# Altium PCB QCopterMV__Pcb.PcbDoc
Units mil, origin at the board's own origin, x right, y up, seen from the top; angles counter-clockwise.
Board outline 1500 x 1500 mil, 4 copper layers (Top Layer, Signal Layer 1, Signal Layer 2, Bottom Layer), stack 46.457 mil thick; 67 components, 132 nets, 439 pads, 179 vias.
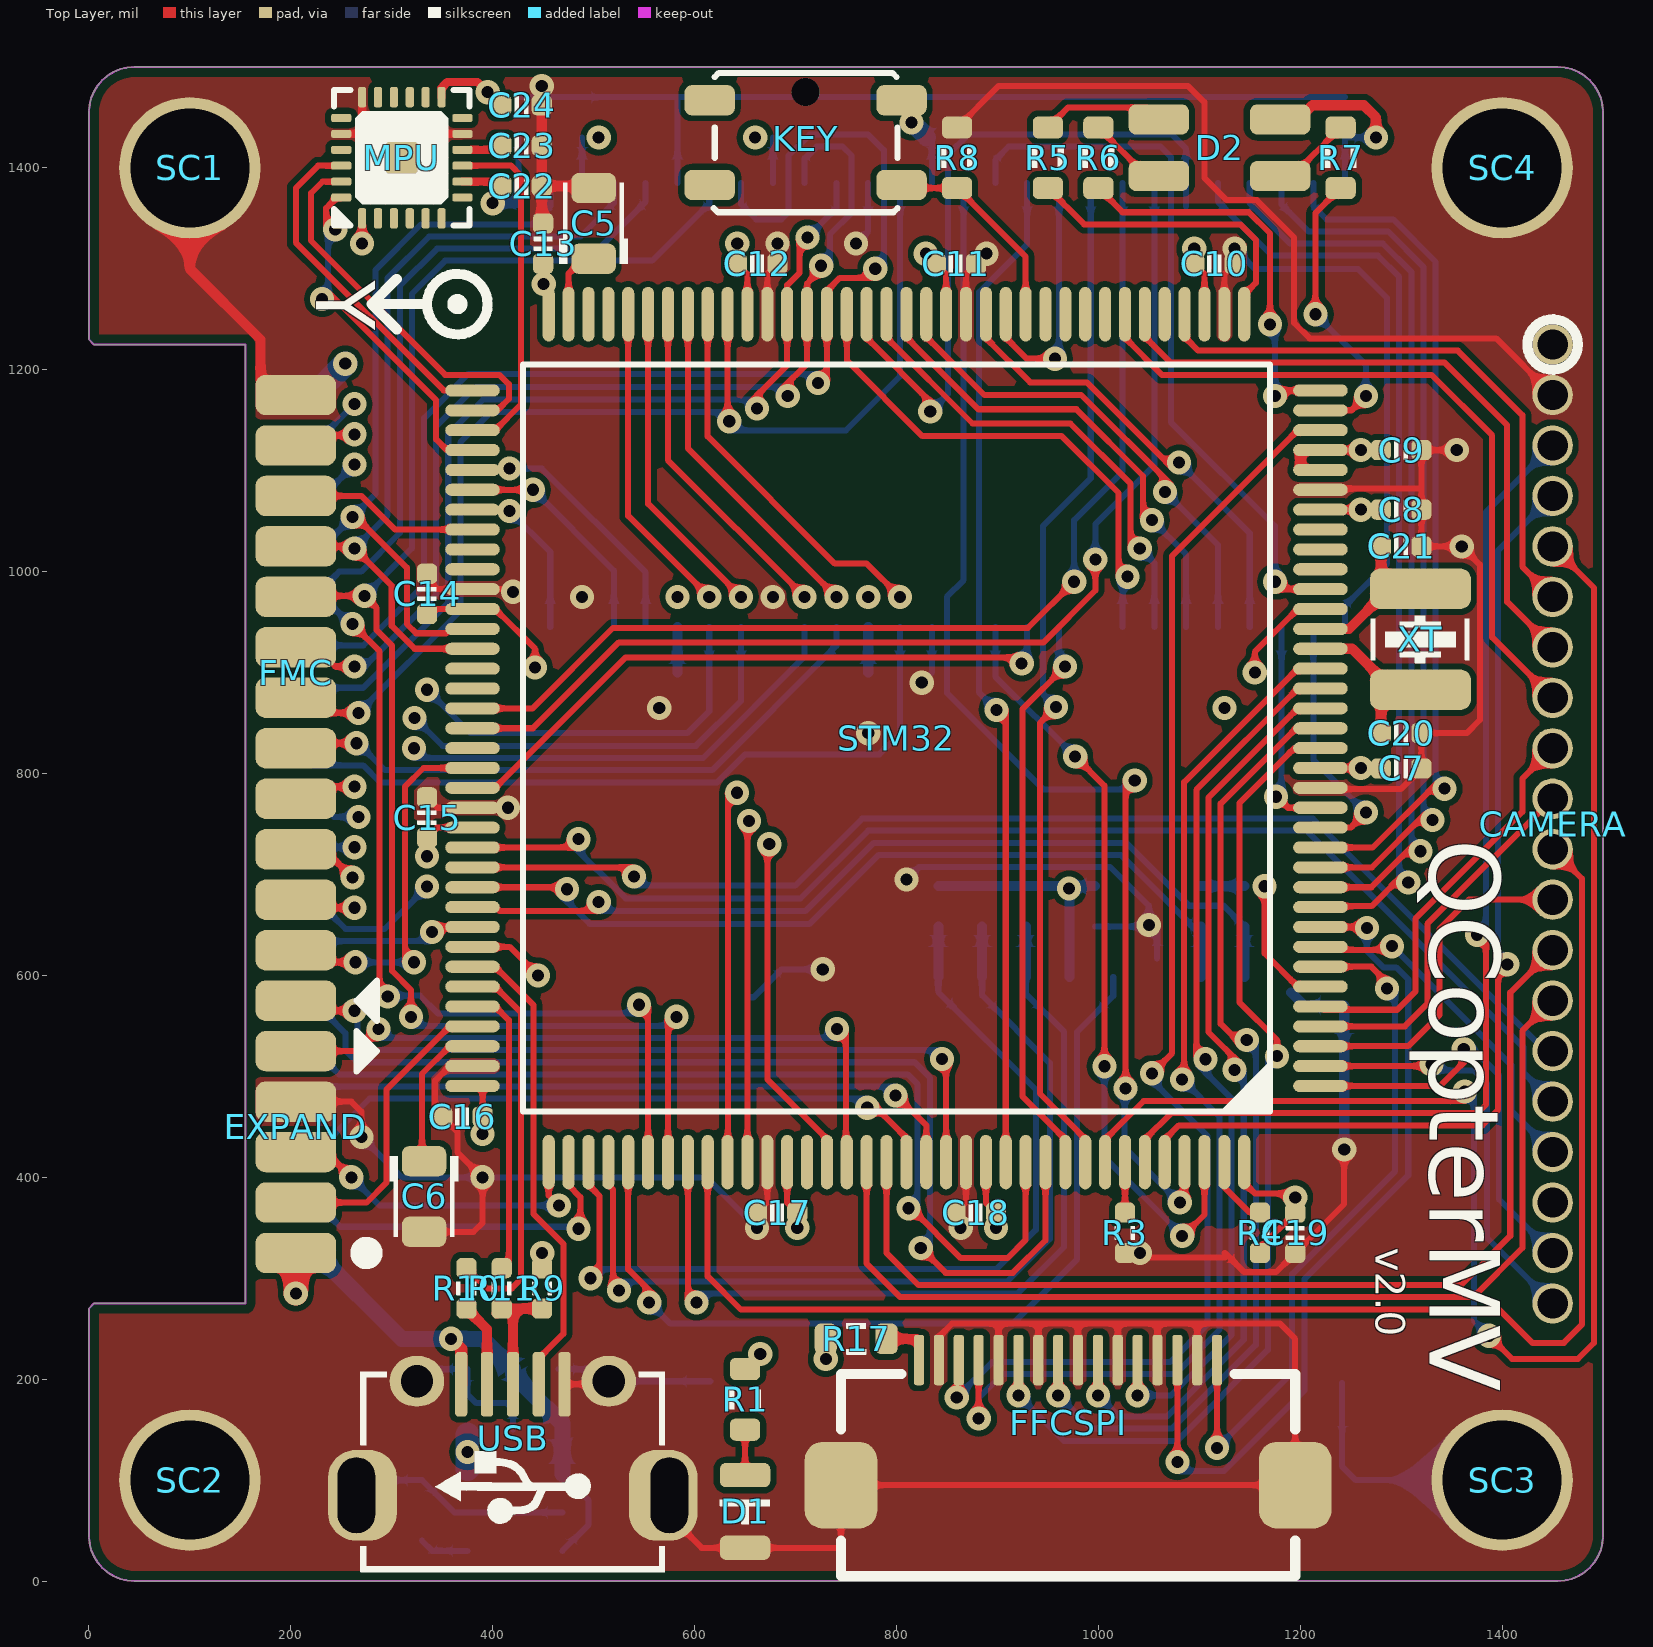
[diagram p0: Top Layer view]
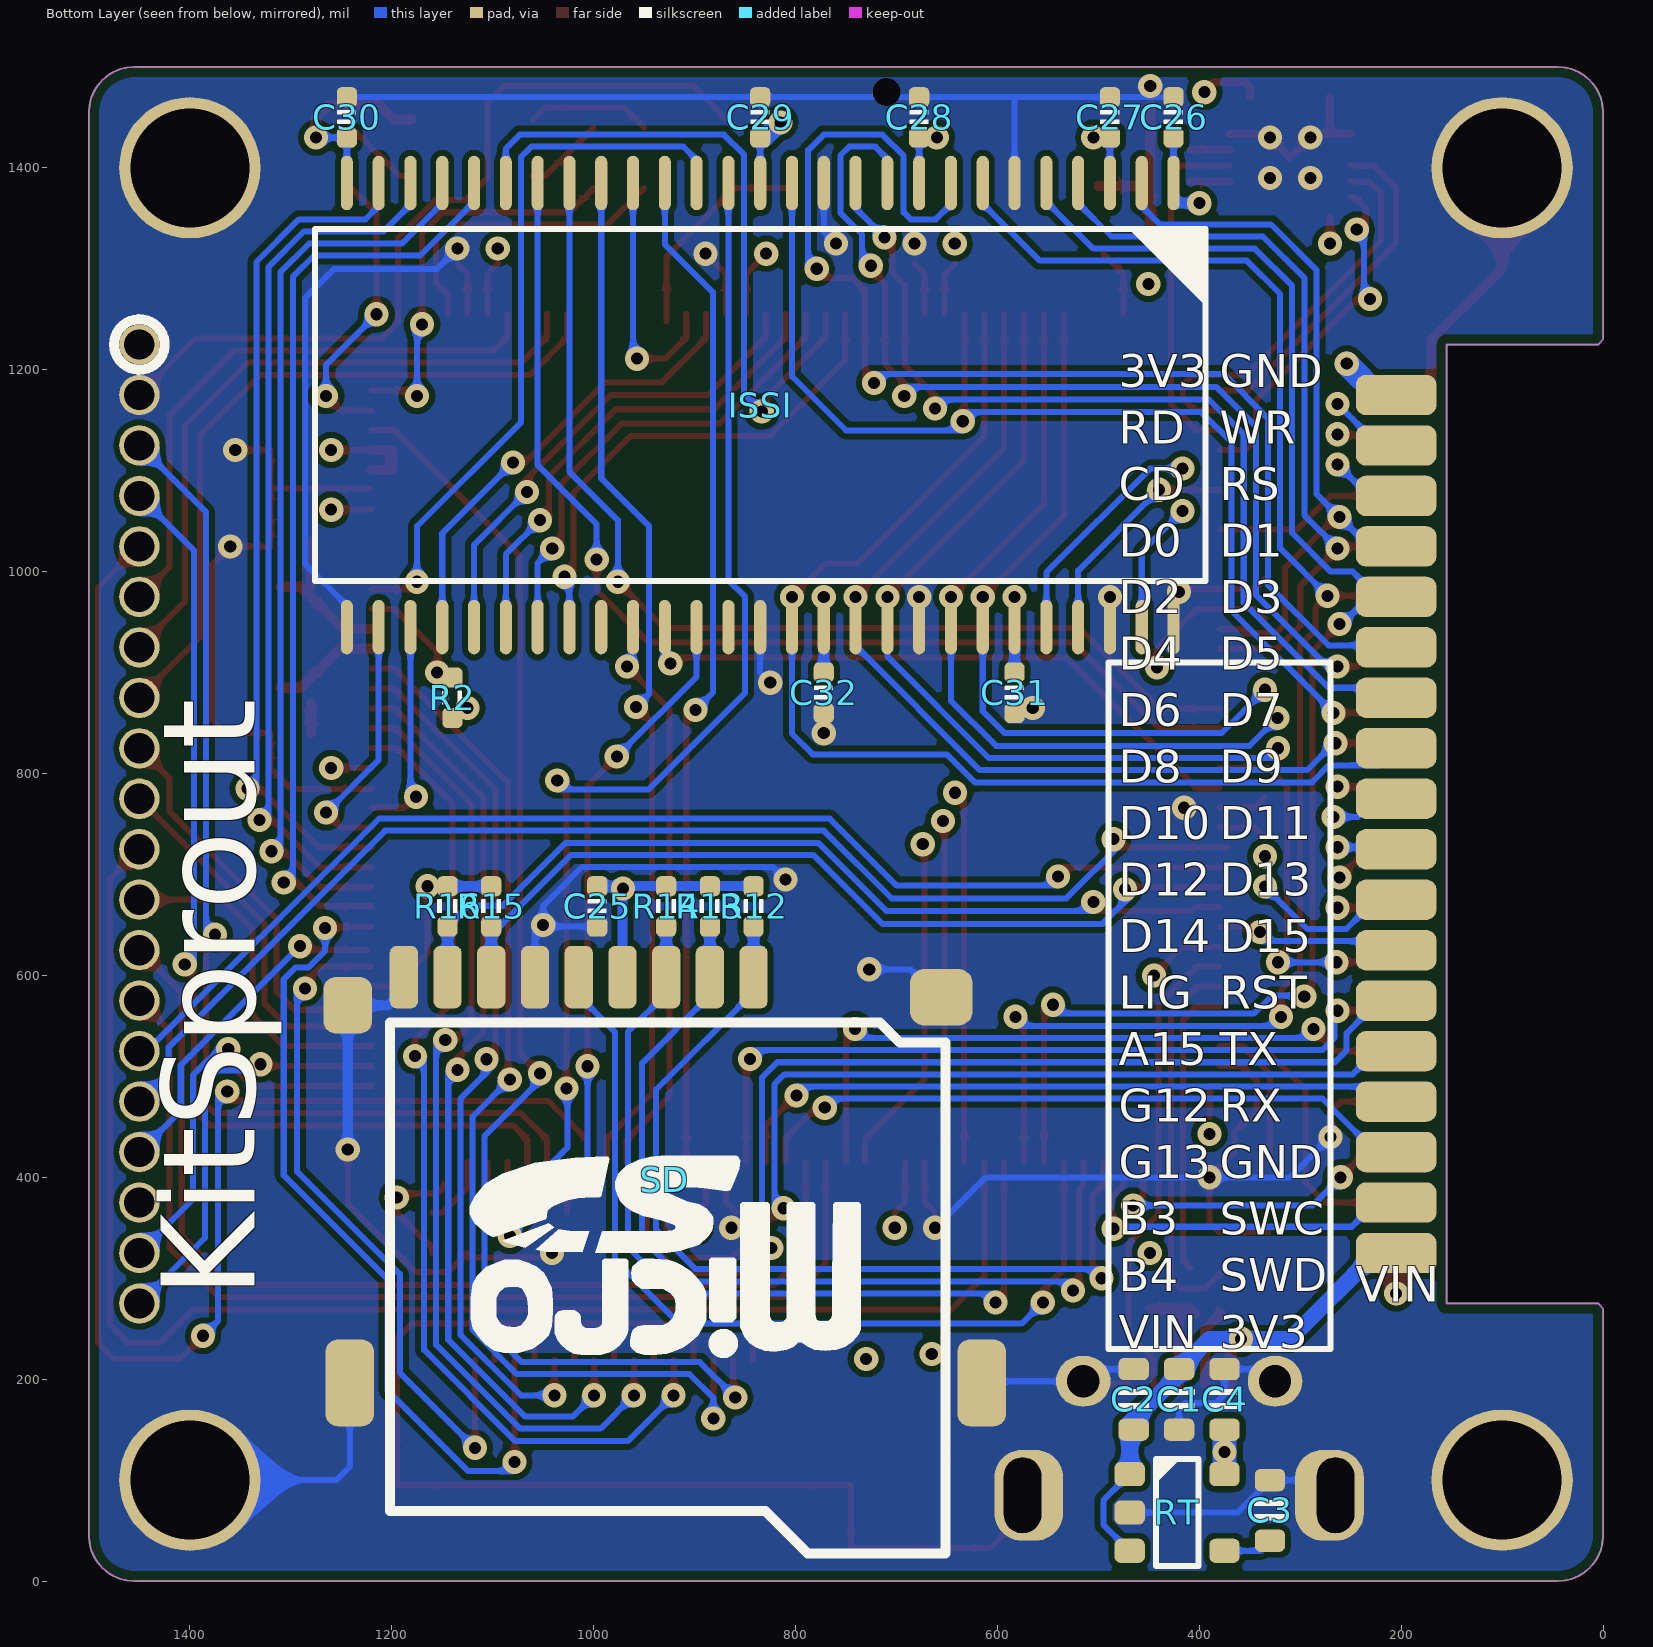
[diagram p1: Bottom Layer view, seen from below]
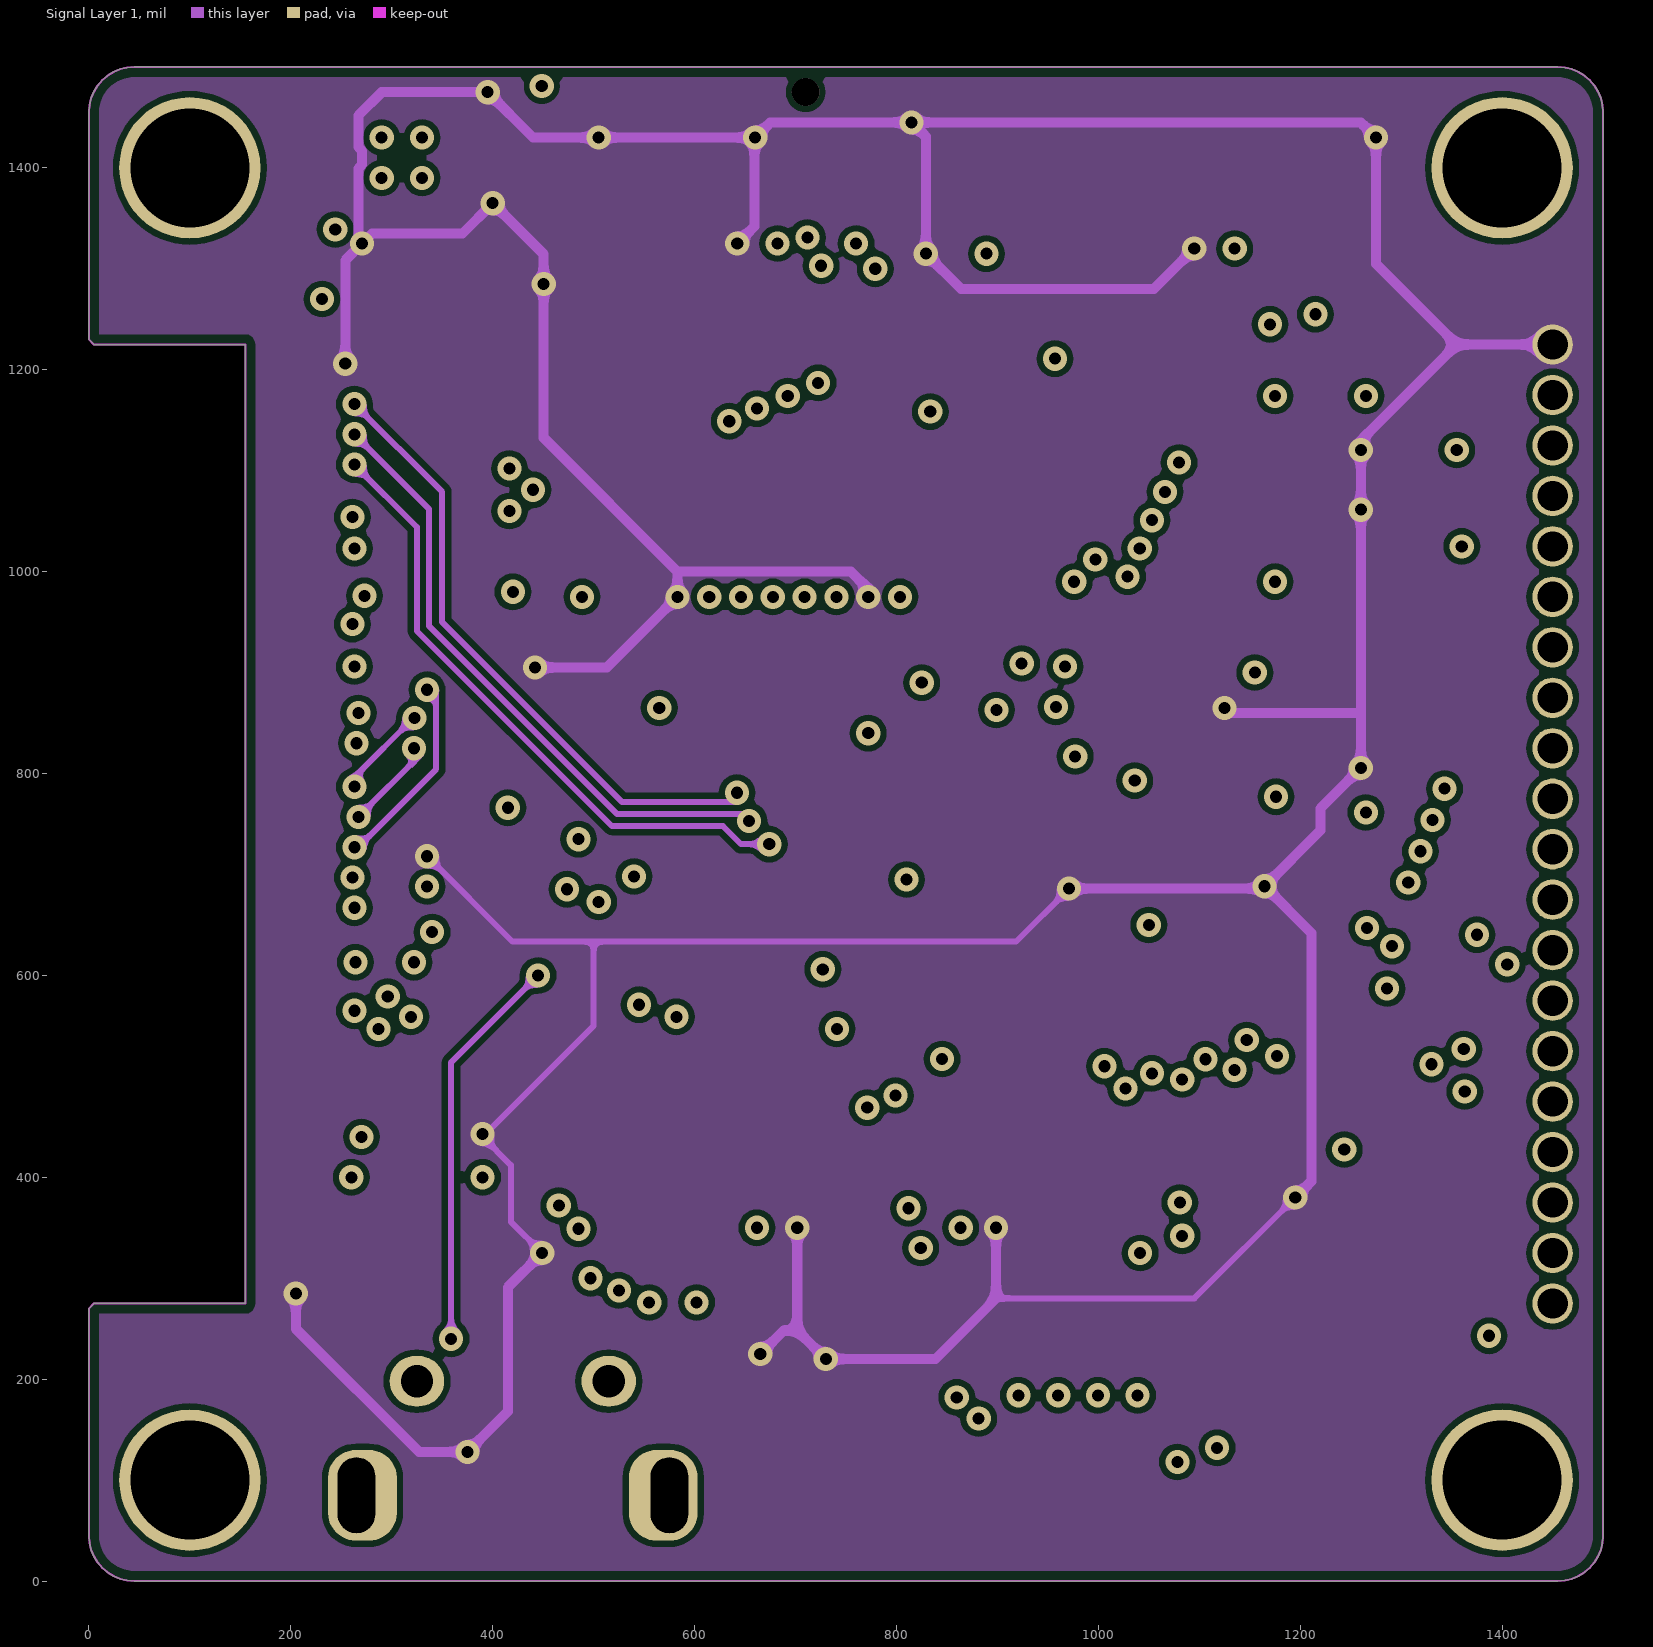
[diagram p2: Signal Layer 1]
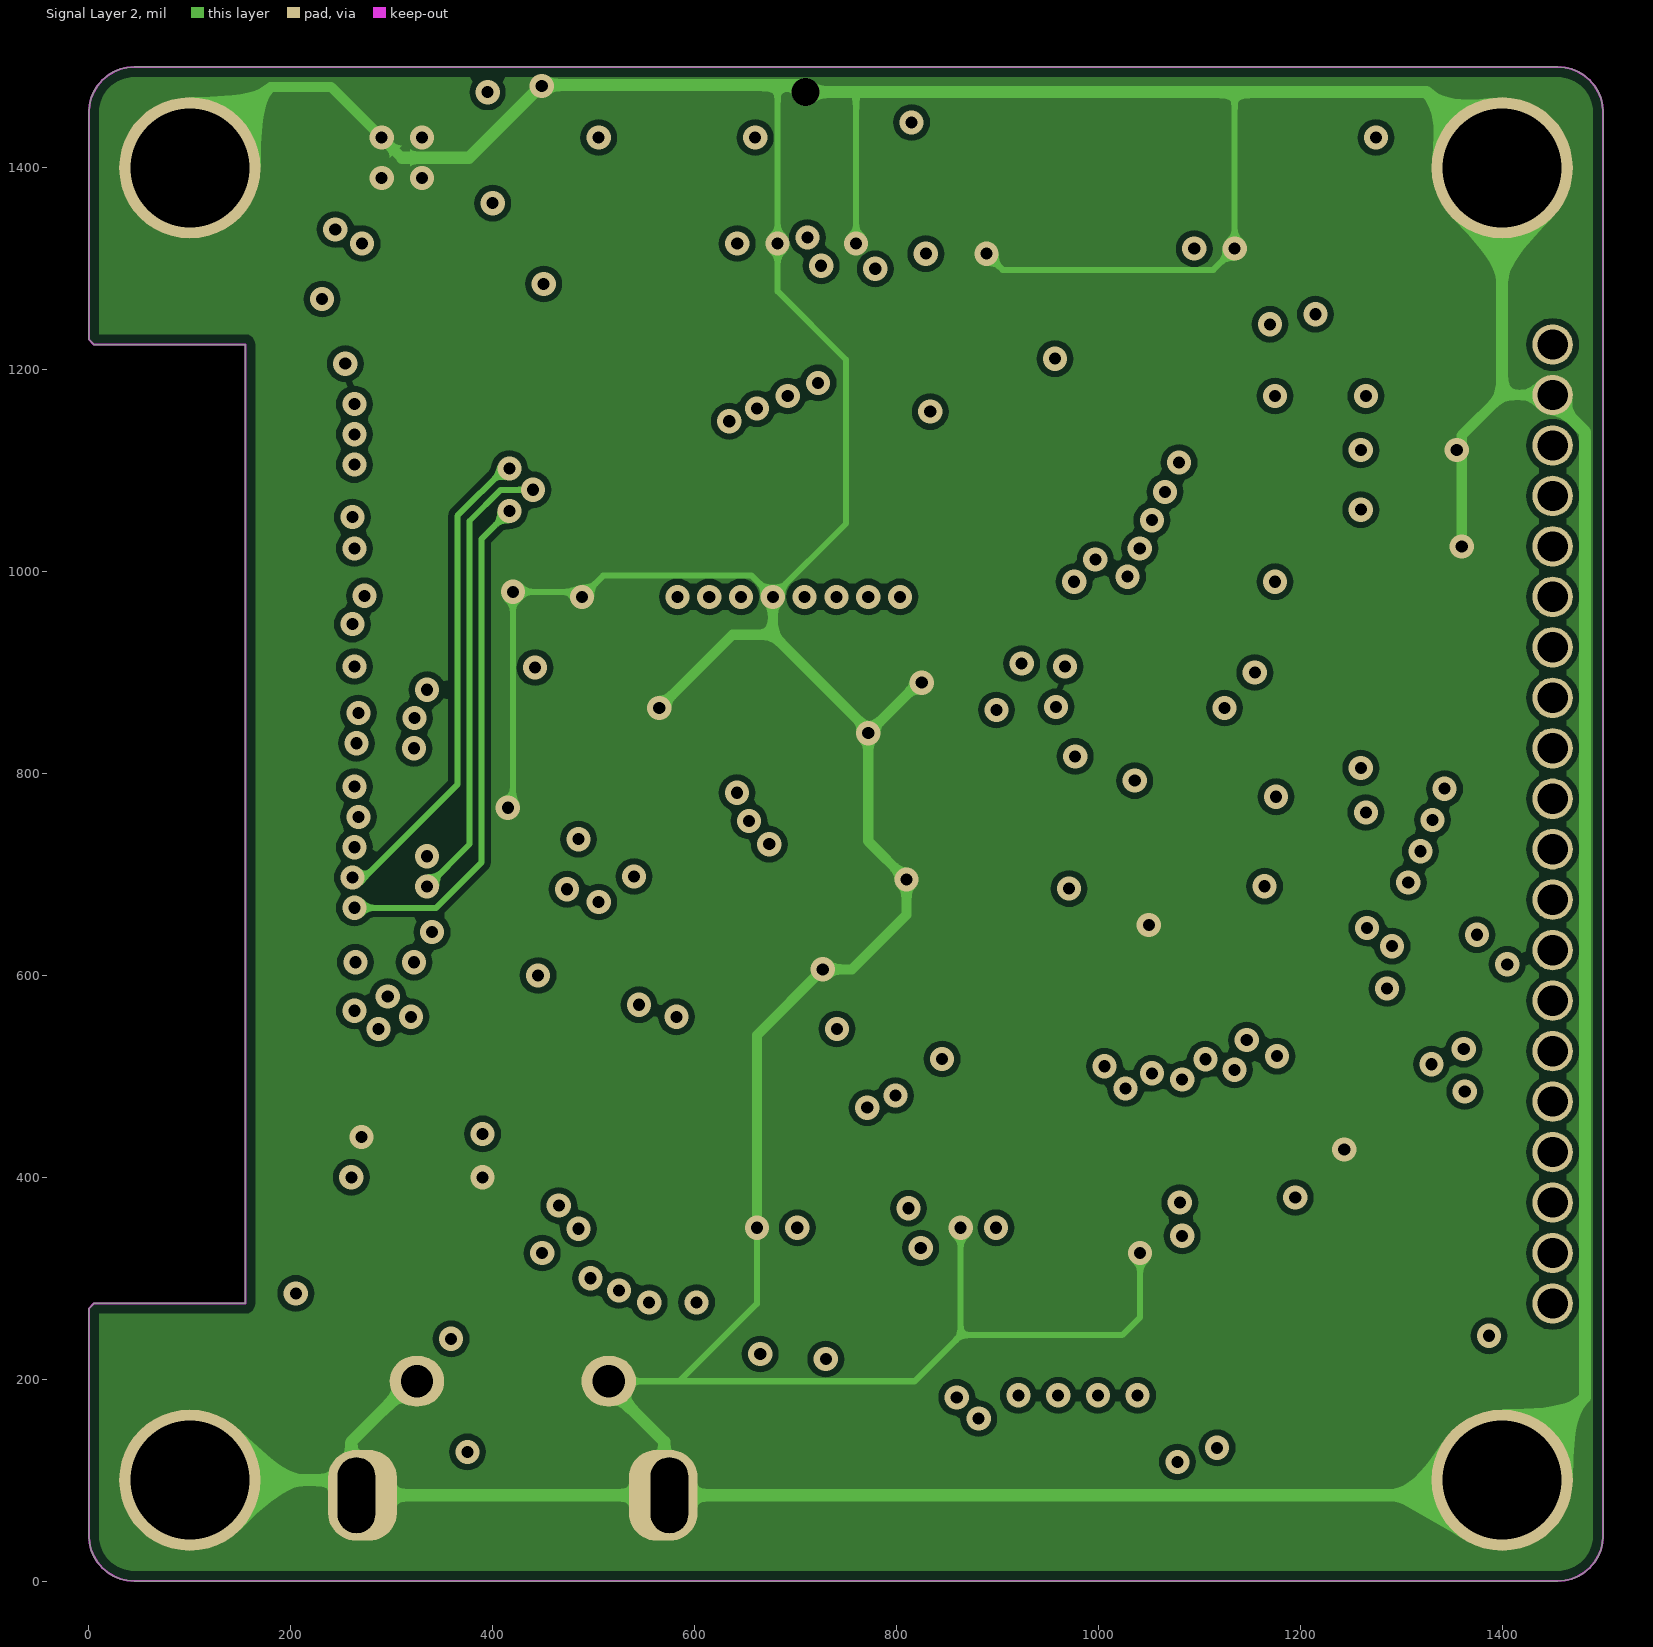
[diagram p3: Signal Layer 2]
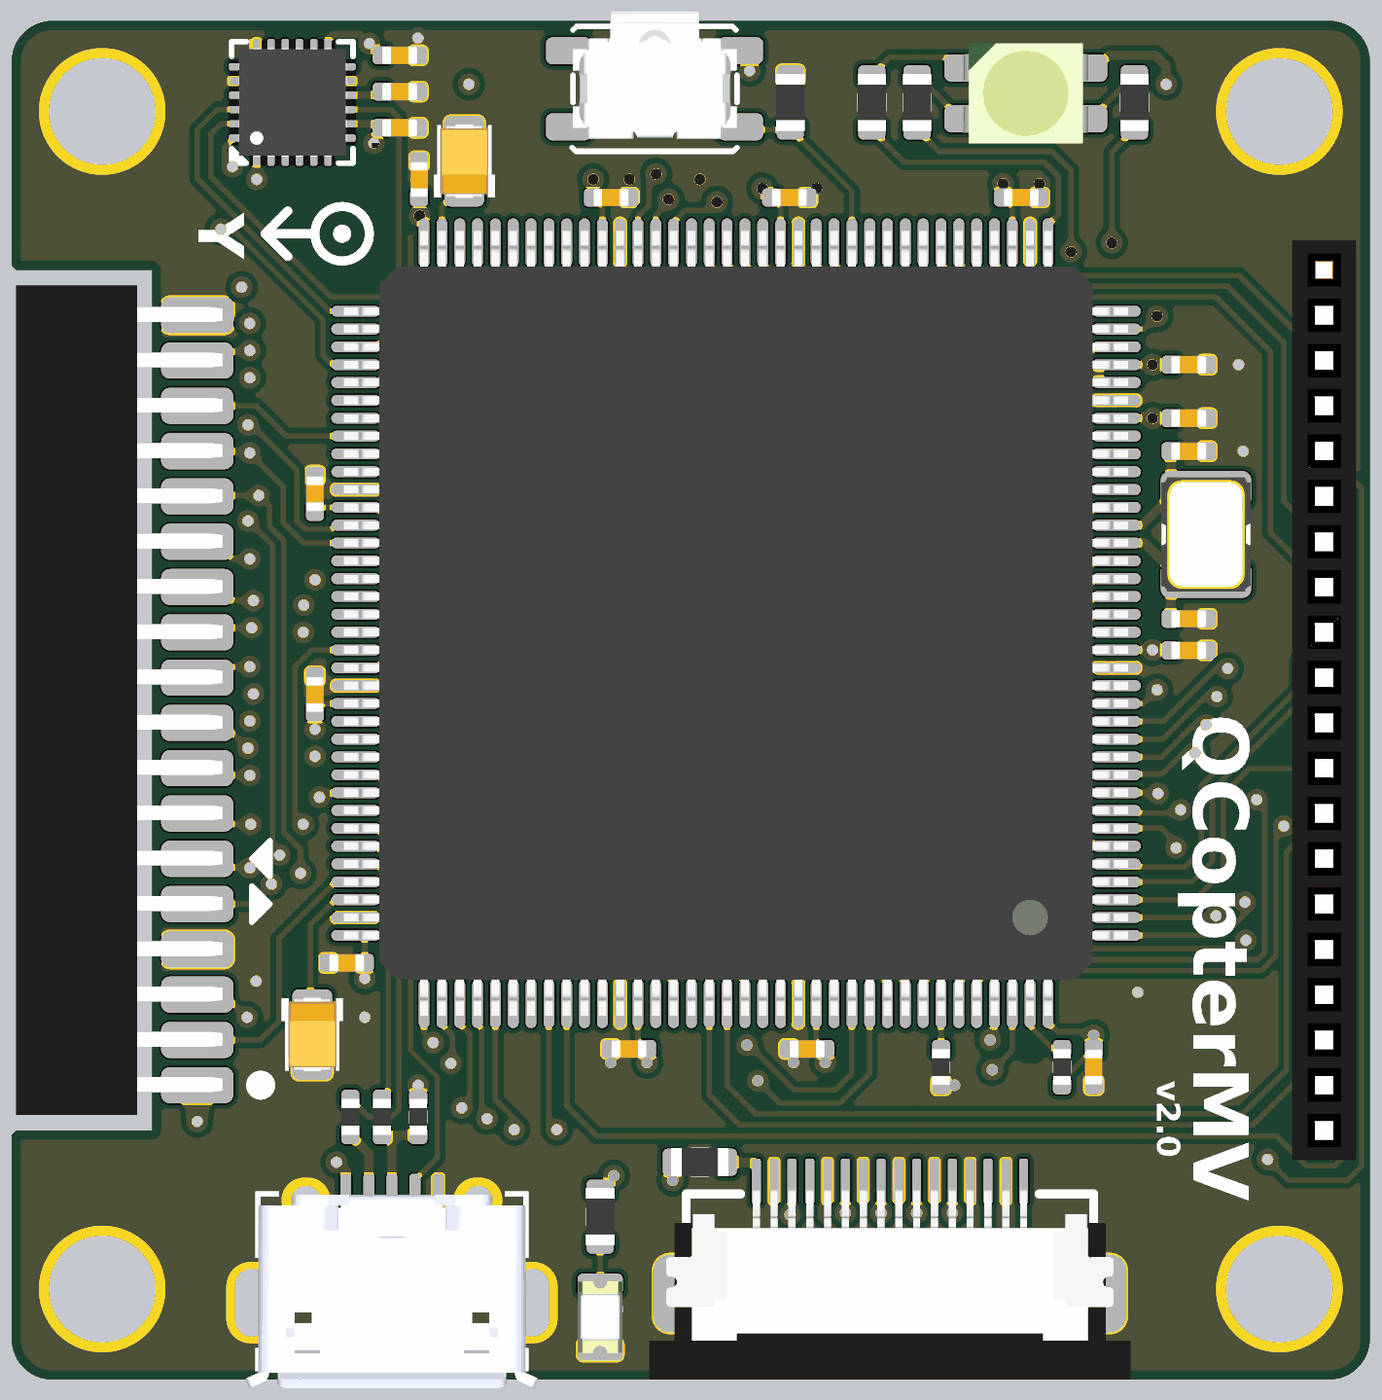
[diagram p4: 3D render of the assembled board from above, using the file's embedded part models]
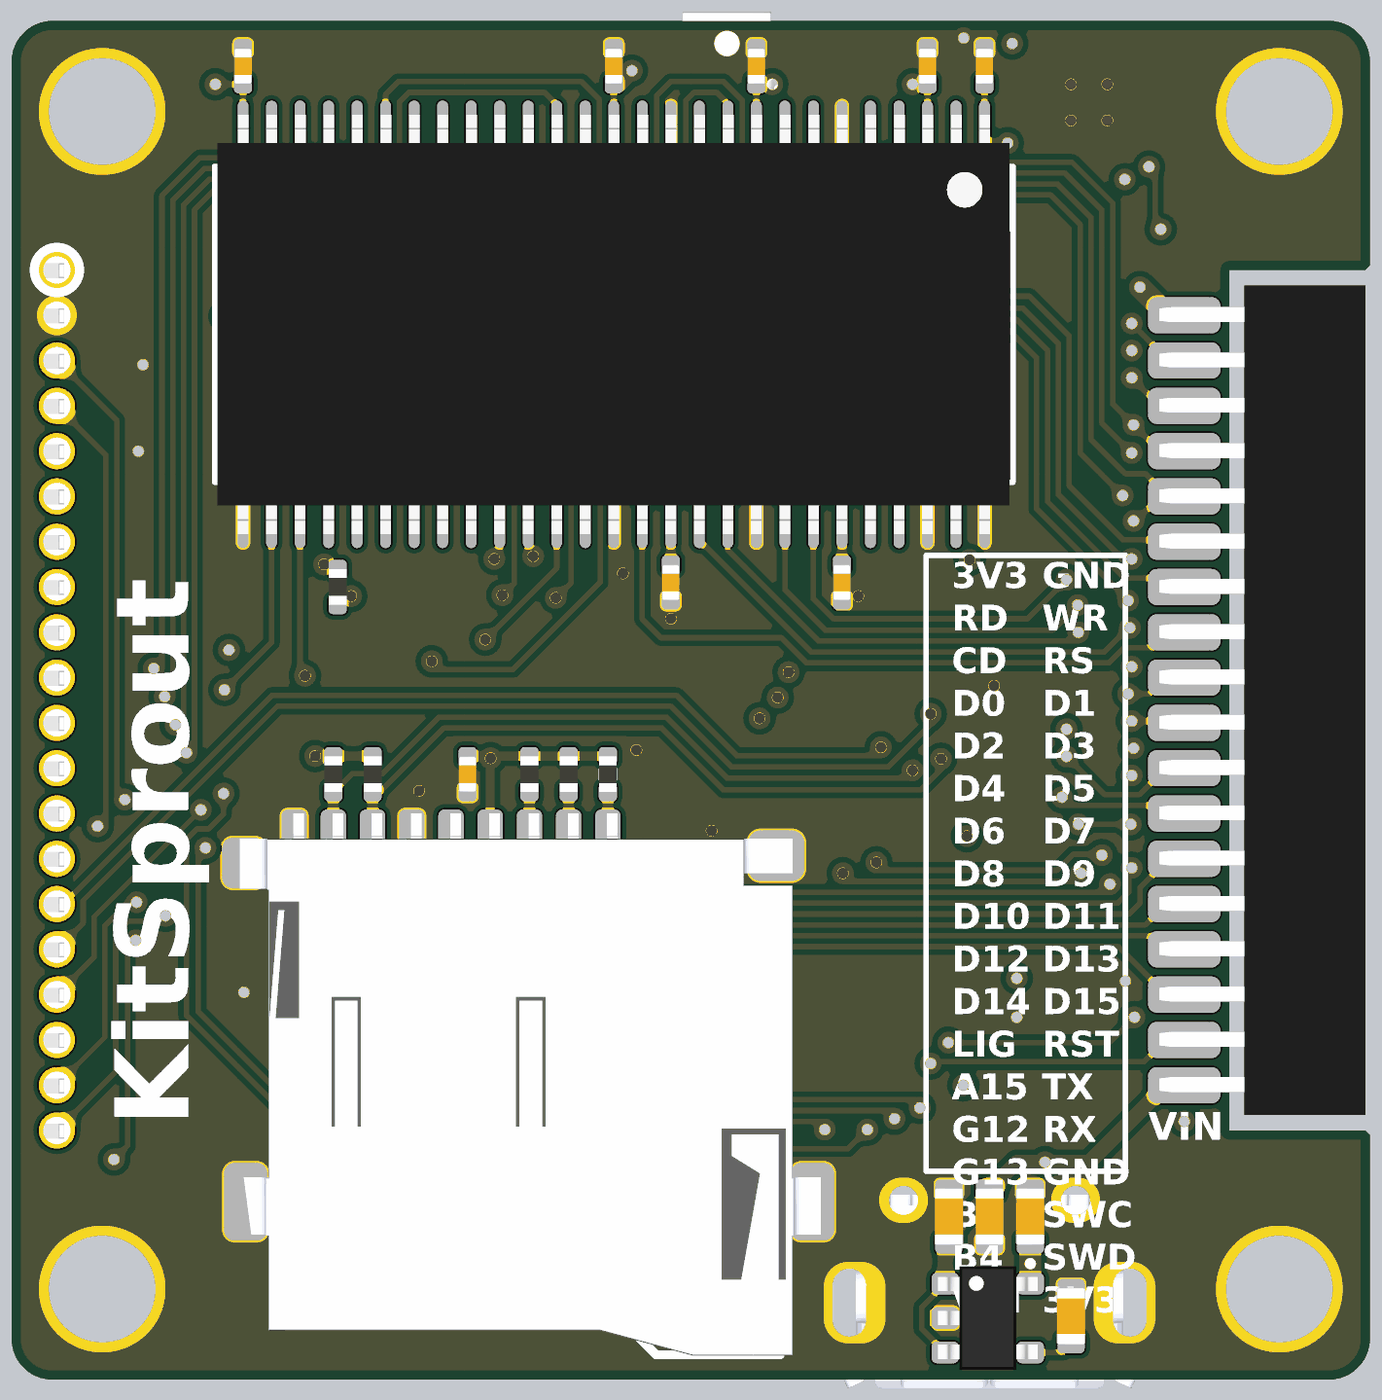
[diagram p5: 3D render of the assembled board from below, using the file's embedded part models]

## Layer stack, top to bottom
Top Solder: solder mask 0.3937, Solder Resist, Dk 3.5
Top Layer: signal copper 1.378
Dielectric1: prepreg 5, Dk 4.2
Signal Layer 1: signal copper 1.378
Dielectric 3: core 30.9449, FR-4, Dk 4.2
Signal Layer 2: signal copper 1.378
Dielectric 2: prepreg 5, Dk 4.2
Bottom Layer: signal copper 1.378
Bottom Solder: solder mask 0.3937, Solder Resist, Dk 3.5

## Board outline
0,45 0,270 5,275 155,275 155,1225 5,1225 0,1230 0,1455 cw(c45,1455) 45,1500 1455,1500 cw(c1455,1455) 1500,1455 1500,45 cw(c1455,45) 1455,0 45,0 cw(c45,45)

## Design rules (kind name [scope] priority, off if disabled: settings)
BoardOutlineClearance [All] p1: gap=10 except(0: Arc-SplitContinuation Track-SplitContinuation SMDPad-SplitContinuation THPad-SplitContinuation Via-SplitContinuation Fill-SplitContinuation Poly-SplitContinuation Region-SplitContinuation Text-SplitContinuation)
Clearance ClearancePolygon [InPolygon] p1: gap=6
Clearance [All] p2: gap=6
ComponentClearance [All] p1: gap=0 collisioncheckmode=3 verticalgap=0 showdistances=FALSE
Height [All] p1: minheight=0 maxheight=5000 prefheight=500
HoleSize [All] p1: absolutevalues=TRUE maxlimit=200 minlimit=1 maxpercent=80.000 minpercent=20.000
HoleToHoleClearance [All] p1: gap=6 allowstackedmicrovias=TRUE
MinimumAnnularRing [All] p1: minimumring=5
MinimumSolderMaskSliver [All] p1: minsoldermaskwidth=0
PolygonConnect [All] p1: connectstyle=Direct reliefconductorwidth=10 reliefentries=4 polygonreliefangle="90 Angle" airgapwidth=10
RoutingVias [All] p1: holewidth=12 width=24 viastyle="Through Hole" minholewidth=12 minwidth=20 maxholewidth=28 maxwidth=50
SMDEntry [All] p1: side=TRUE corner=TRUE anyangle=FALSE
SilkToSilkClearance [All] p1: silktosilkclearance=0
SilkToSolderMaskClearance [IsPad] p1: minsilkscreentomaskgap=0 clearancetoexposedcopper=TRUE
SolderMaskExpansion [All] p1: expansion=2
Width [All] p1: maxlimit=100 minlimit=6 preferedwidth=10
23 further rules are at their usual default settings.

## Classes and differential pairs
component class POWER: C1 C2 C3 C4 D1 R1 RT
component class IMU: C22 C23 C24 MPU
component class EXPAND: EXPAND
component class USB: R9 R10 R11 USB
component class SD: C25 R12 R13 R14 R15 R16 SD
component class LED: D2 KEY R5 R6 R7 R8
component class FFCSPI: FFCSPI R17
component class QCopterMV_MAIN_Sch: SC1 SC2 SC3 SC4
component class STM32F427Z: C5 C6 C7 C8 C9 C10 C11 C12 C13 C14 C15 C16 C17 C18 C19 C20 C21 R3 R4 STM32 XT
component class FMC: C26 C27 C28 C29 C30 C31 C32 FMC ISSI
component class DCMI: CAMERA

## Components (designator, comment, footprint, x,y, rotation, side; value= is the part's Value field where it differs from the comment)
C1 "Cap_0603" CAP_0603 420,180 r90 bottom
C2 "Cap_0603" CAP_0603 465,180 r270 bottom
C3 "Cap_0603" CAP_0603 330,70 r90 bottom
C4 "Cap_0603" CAP_0603 375,180 r270 bottom
C5 "Cap_Tan_0805" CAP_TAN_P0805 500,1345 r90 top
C6 "Cap_Tan_0805" CAP_TAN_P0805 332,381 r270 top
C7 "Cap_0402" CAP_0402 1300,805 r180 top
C8 "Cap_0402" CAP_0402 1300,1061.38 r180 top
C9 "Cap_0402" CAP_0402 1300,1120.43 r180 top
C10 "Cap_0402" CAP_0402 1115,1305 r180 top
C11 "Cap_0402" CAP_0402 858.9,1305 r180 top
C12 "Cap_0402" CAP_0402 662.05,1305 r180 top
C13 "Cap_0402" CAP_0402 450,1325 r270 top
C14 "Cap_0402" CAP_0402 335,977.95 r270 top
C15 "Cap_0402" CAP_0402 335,756.42 r270 top
C16 "Cap_0402" CAP_0402 370,460 r0 top
C17 "Cap_0402" CAP_0402 681.73,365 r0 top
C18 "Cap_0402" CAP_0402 878.58,365 r0 top
C19 "Cap_0402" CAP_0402 1195,345 r90 top
C20 "Cap_0402" CAP_0402 1300,840 r180 top
C21 "Cap_0402" CAP_0402 1300,1025 r180 top
C22 "Cap_0402" CAP_0402 428.62,1382 r180 top
C23 "Cap_0402" CAP_0402 428.62,1422 r180 top
C24 "Cap_0402" CAP_0402 428.62,1462 r0 top
C25 "Cap_0402" CAP_0402 996.46,668.39 r90 bottom
C26 "Cap_0402" CAP_0402 425.55,1450 r270 bottom
C27 "Cap_0402" CAP_0402 488.54,1450 r270 bottom
C28 "Cap_0402" CAP_0402 677.52,1450 r270 bottom
C29 "Cap_0402" CAP_0402 835,1450 r270 bottom
C30 "Cap_0402" CAP_0402 1244.45,1450 r270 bottom
C31 "Cap_0402" CAP_0402 583.03,880 r90 bottom
C32 "Cap_0402" CAP_0402 772.01,880 r90 bottom
CAMERA "HDR1x20_1.27" HDR1X20_1.27_180F 1450,1225 r0 top locked
D1 "LED_0805" LED_0805_ORANGE 650,69 r270 top
D2 "LED_3528_RGB" LED_3528_RGB 1120,1420 r0 top
EXPAND "HDR2x6_1.27" HDR2X6_1.27_180HF 205,325 r180 top
FFCSPI "FFC_0.5_16" FFC_0.5_16 970,155 r0 top locked
FMC "HDR2x12_1.27" HDR2X12_1.27_180HF 205,625 r180 top locked
ISSI "IS42S16400J-7TLI" TSOP_E400_P0.8_54 835,1165 r270 bottom locked
KEY "ButtonTACT" ButtonTACT_3.5*3.55_90 710,1425 r0 top locked
MPU "MPU925x" QFN_P0.4_24 310,1410 r90 top locked
R1 "Res_0603" RES_0603 650,180 r90 top
R2 "Res_0402" RES_0402 1139.96,875 r90 bottom
R3 "Res_0402" RES_0402 1026.38,345 r90 top
R4 "Res_0402" RES_0402 1160,345 r90 top
R5 "Res_0603" RES_0603 950,1410 r270 top
R6 "Res_0603" RES_0603 1000,1410 r270 top
R7 "Res_0603" RES_0603 1240,1410 r270 top
R8 "Res_0603" RES_0603 860,1410 r270 top
R9 "Res_0402" RES_0402 449,290 r90 top
R10 "Res_0402" RES_0402 374,290 r270 top
R11 "Res_0402" RES_0402 409,290 r270 top
R12 "Res_0402" RES_0402 841.53,668.39 r270 bottom
R13 "Res_0402" RES_0402 884.84,668.39 r270 bottom
R14 "Res_0402" RES_0402 928.15,668.39 r270 bottom
R15 "Res_0402" RES_0402 1101.38,668.39 r270 bottom
R16 "Res_0402" RES_0402 1144.69,668.39 r270 bottom
R17 "Res_0603" RES_0603 760,240 r0 top
RT "RT9193" SOT23-5 422,68 r180 bottom
SC1 "M3" SCRREW_M3 100,1400 r0 top locked
SC2 "M3" SCRREW_M3 100,100 r0 top locked
SC3 "M3" SCRREW_M3 1400,100 r0 top locked
SC4 "M3" SCRREW_M3 1400,1400 r0 top locked
SD "SD_Card_TF" SD_Card_TF 841.54,598.39 r0 bottom locked
STM32 "STM32F429Z" LQFP_P0.5_144 800,835 r180 top locked
USB "USB_Micro" USB_Micro-AB 420,95 r180 top locked
XT "XTAL_3225_2P" XT_3225_2 1319,933 r270 top
